# Altium PCB Core.PcbDoc (part 1 of 5)
Units mil, origin at the board's own origin, x right, y up, seen from the top; angles counter-clockwise.
Board outline 1181.1 x 1574.8 mil, 6 copper layers (Top Layer, GND2, SIG3, PWR4, GND5, Bottom Layer), stack 29.356 mil thick; 139 components, 179 nets, 1165 pads, 477 vias.
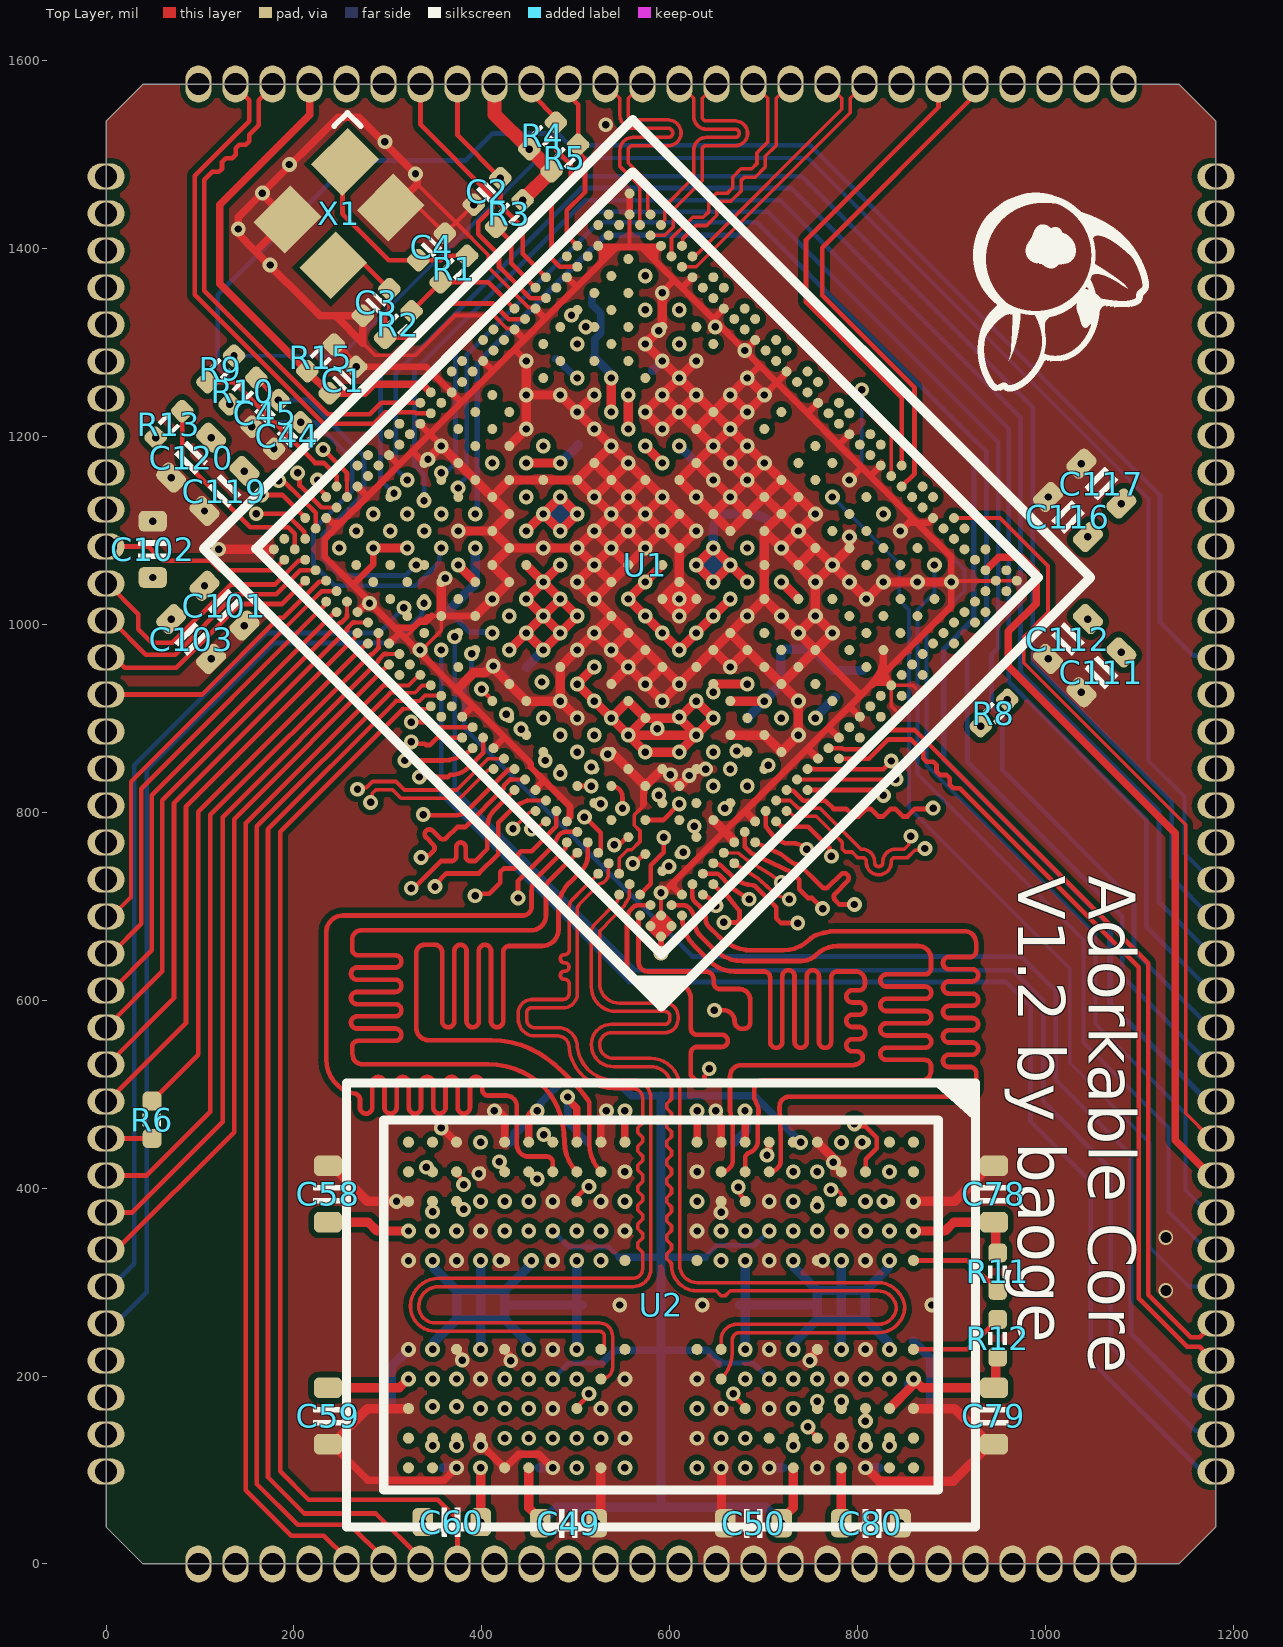
[diagram p0: Top Layer view]
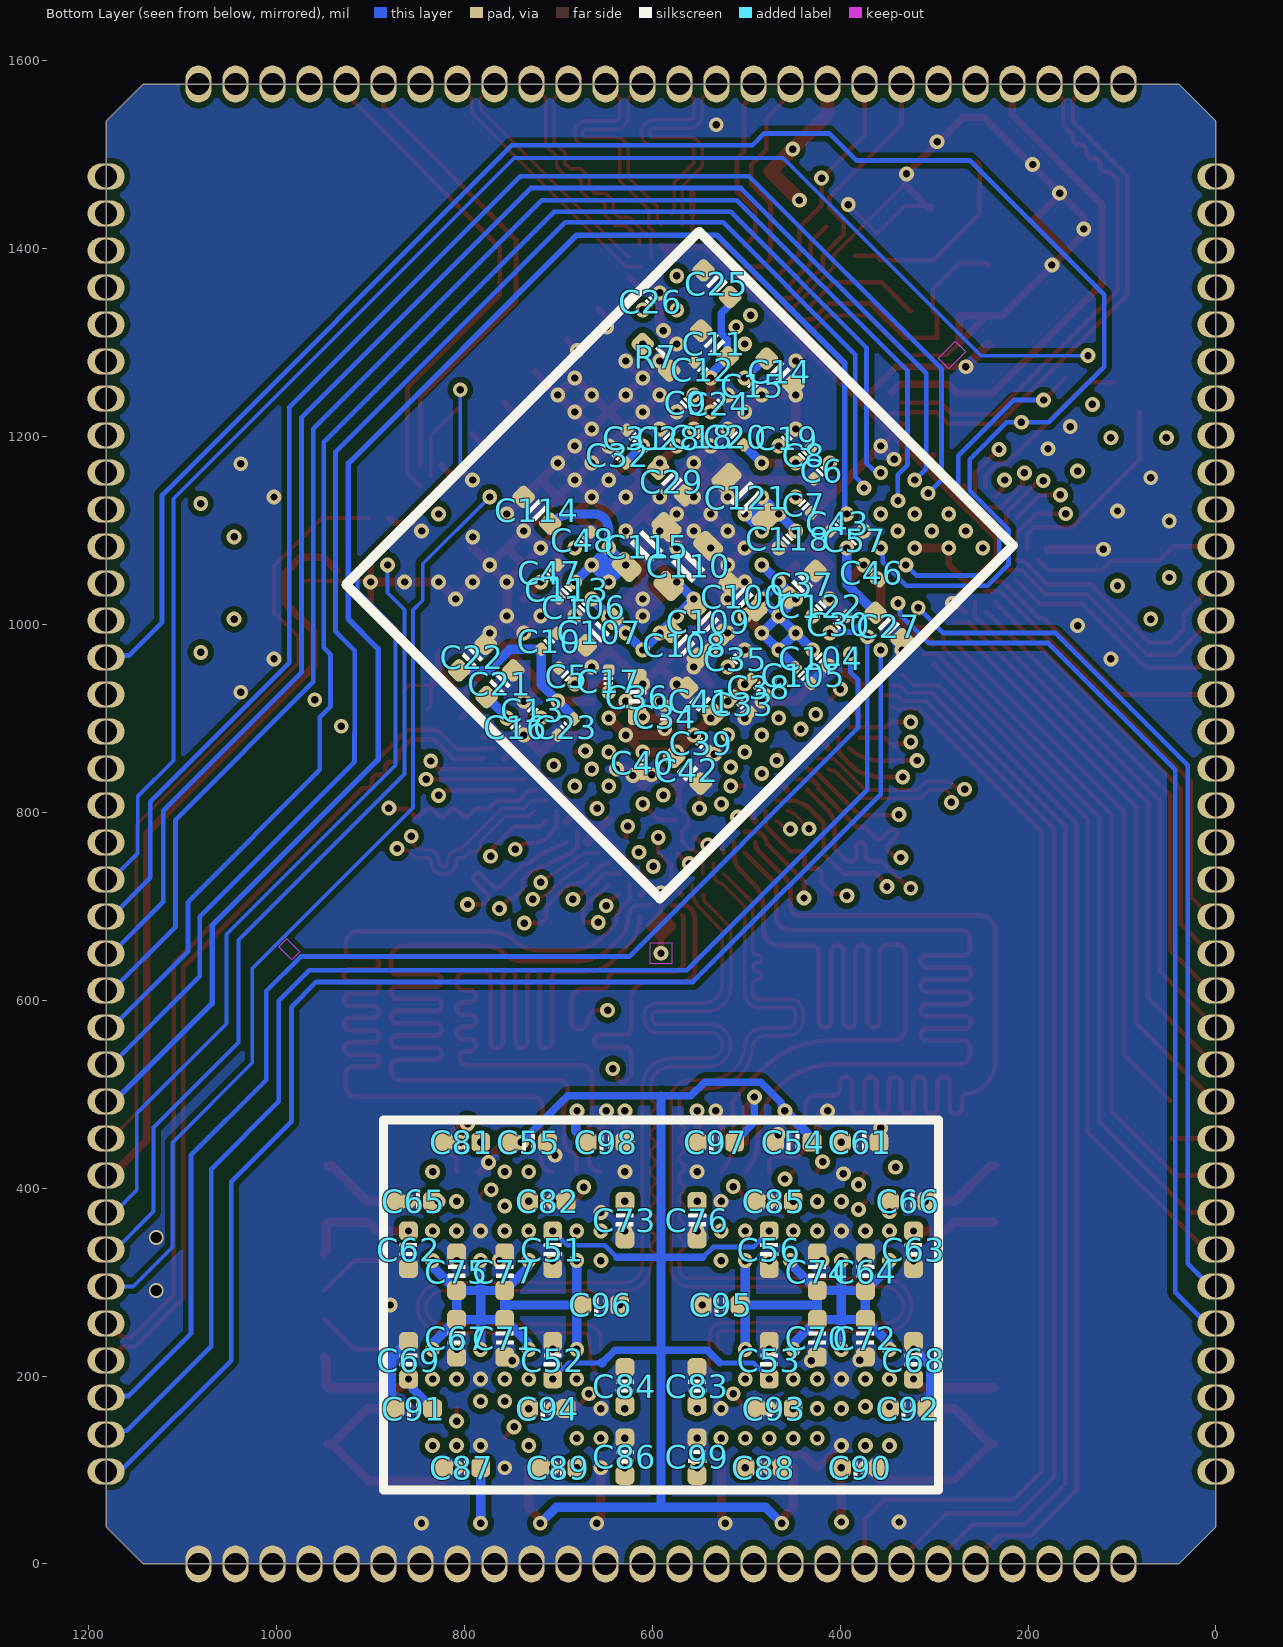
[diagram p1: Bottom Layer view, seen from below]
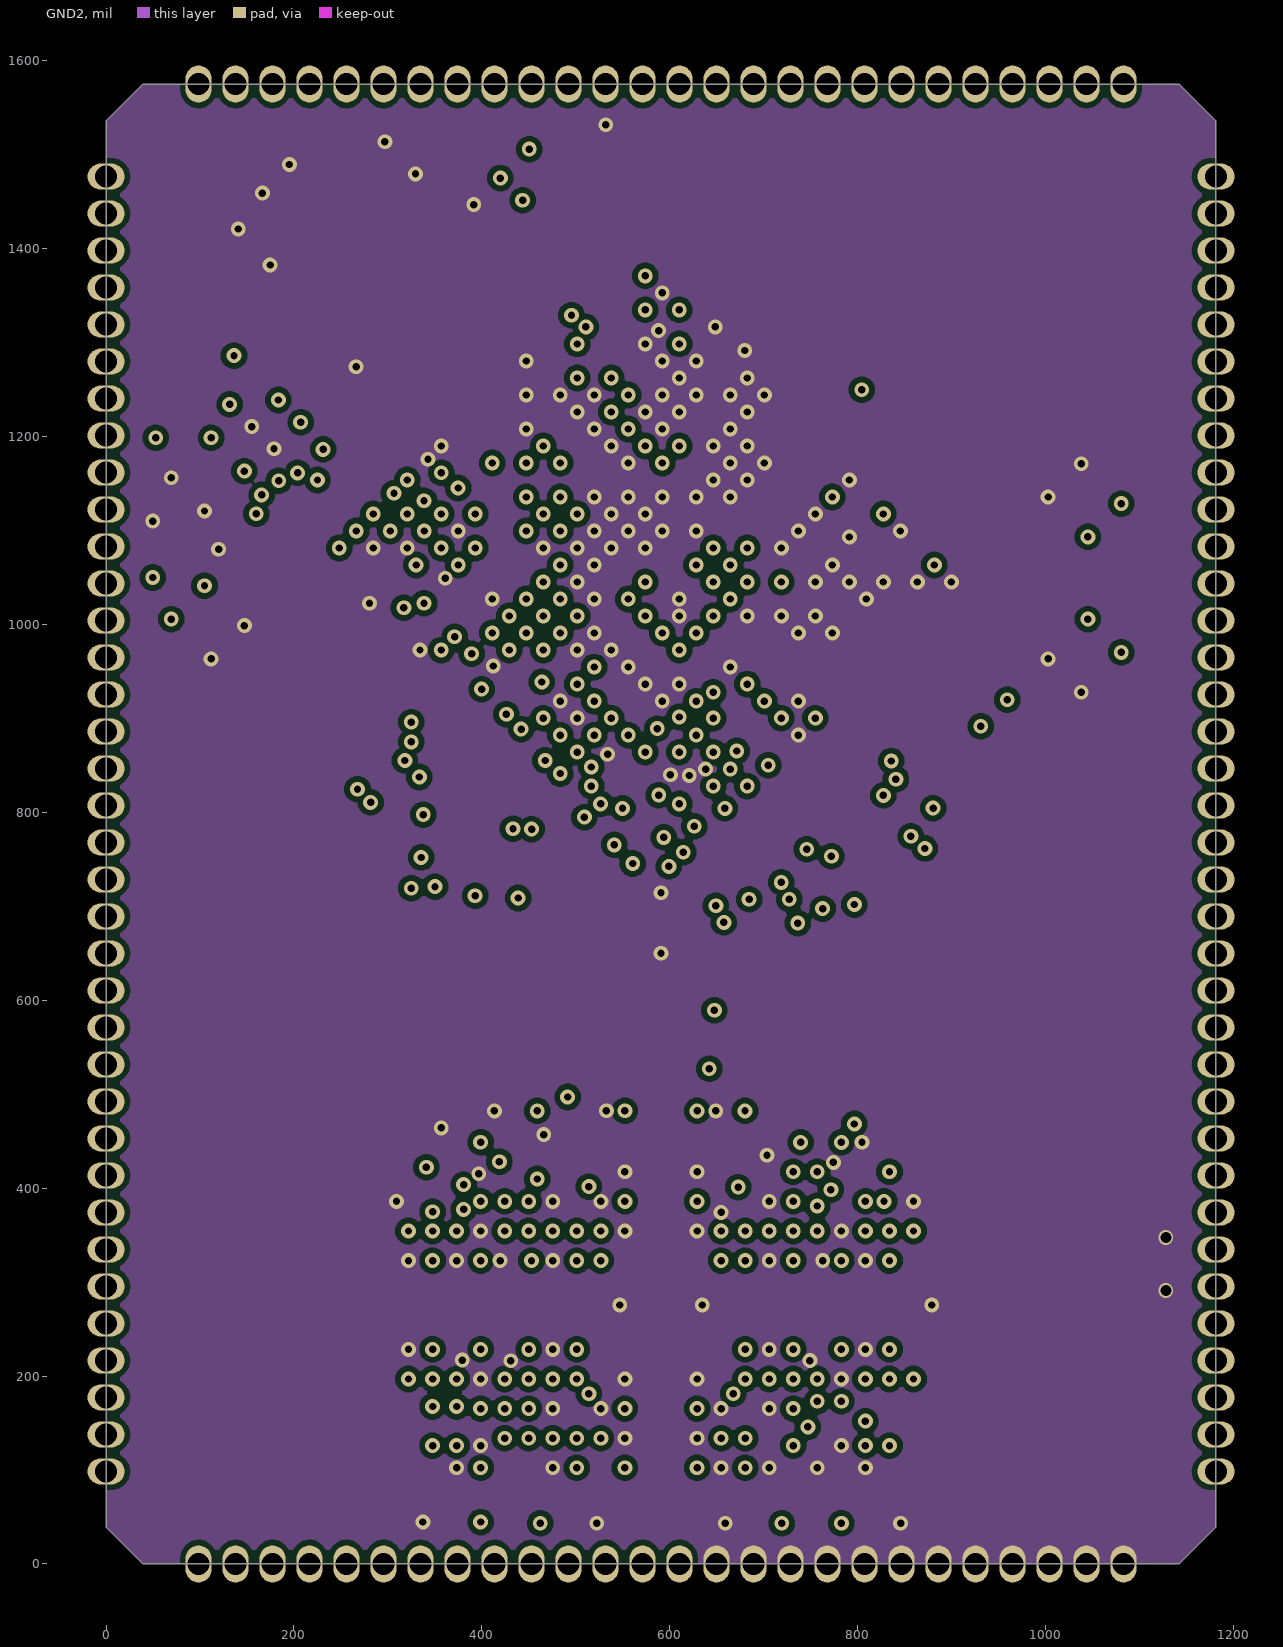
[diagram p2: GND2]
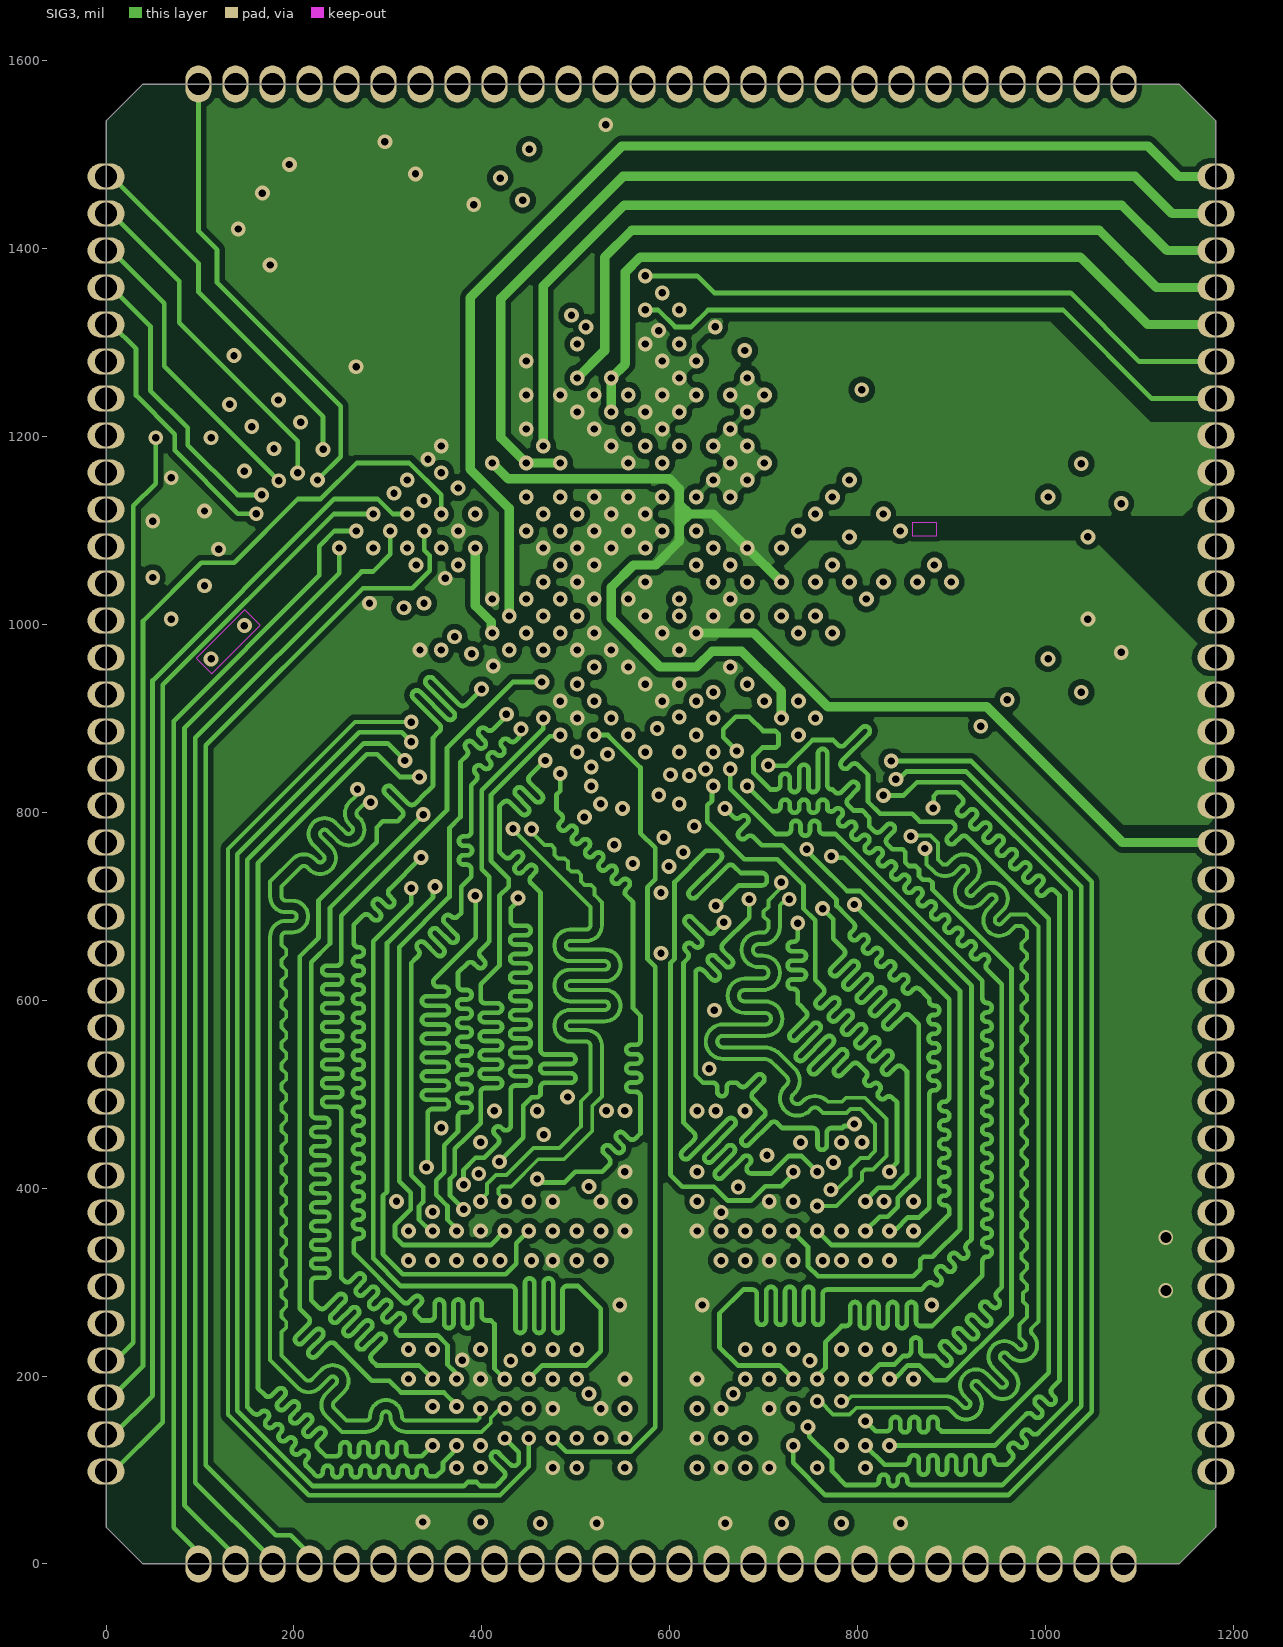
[diagram p3: SIG3]
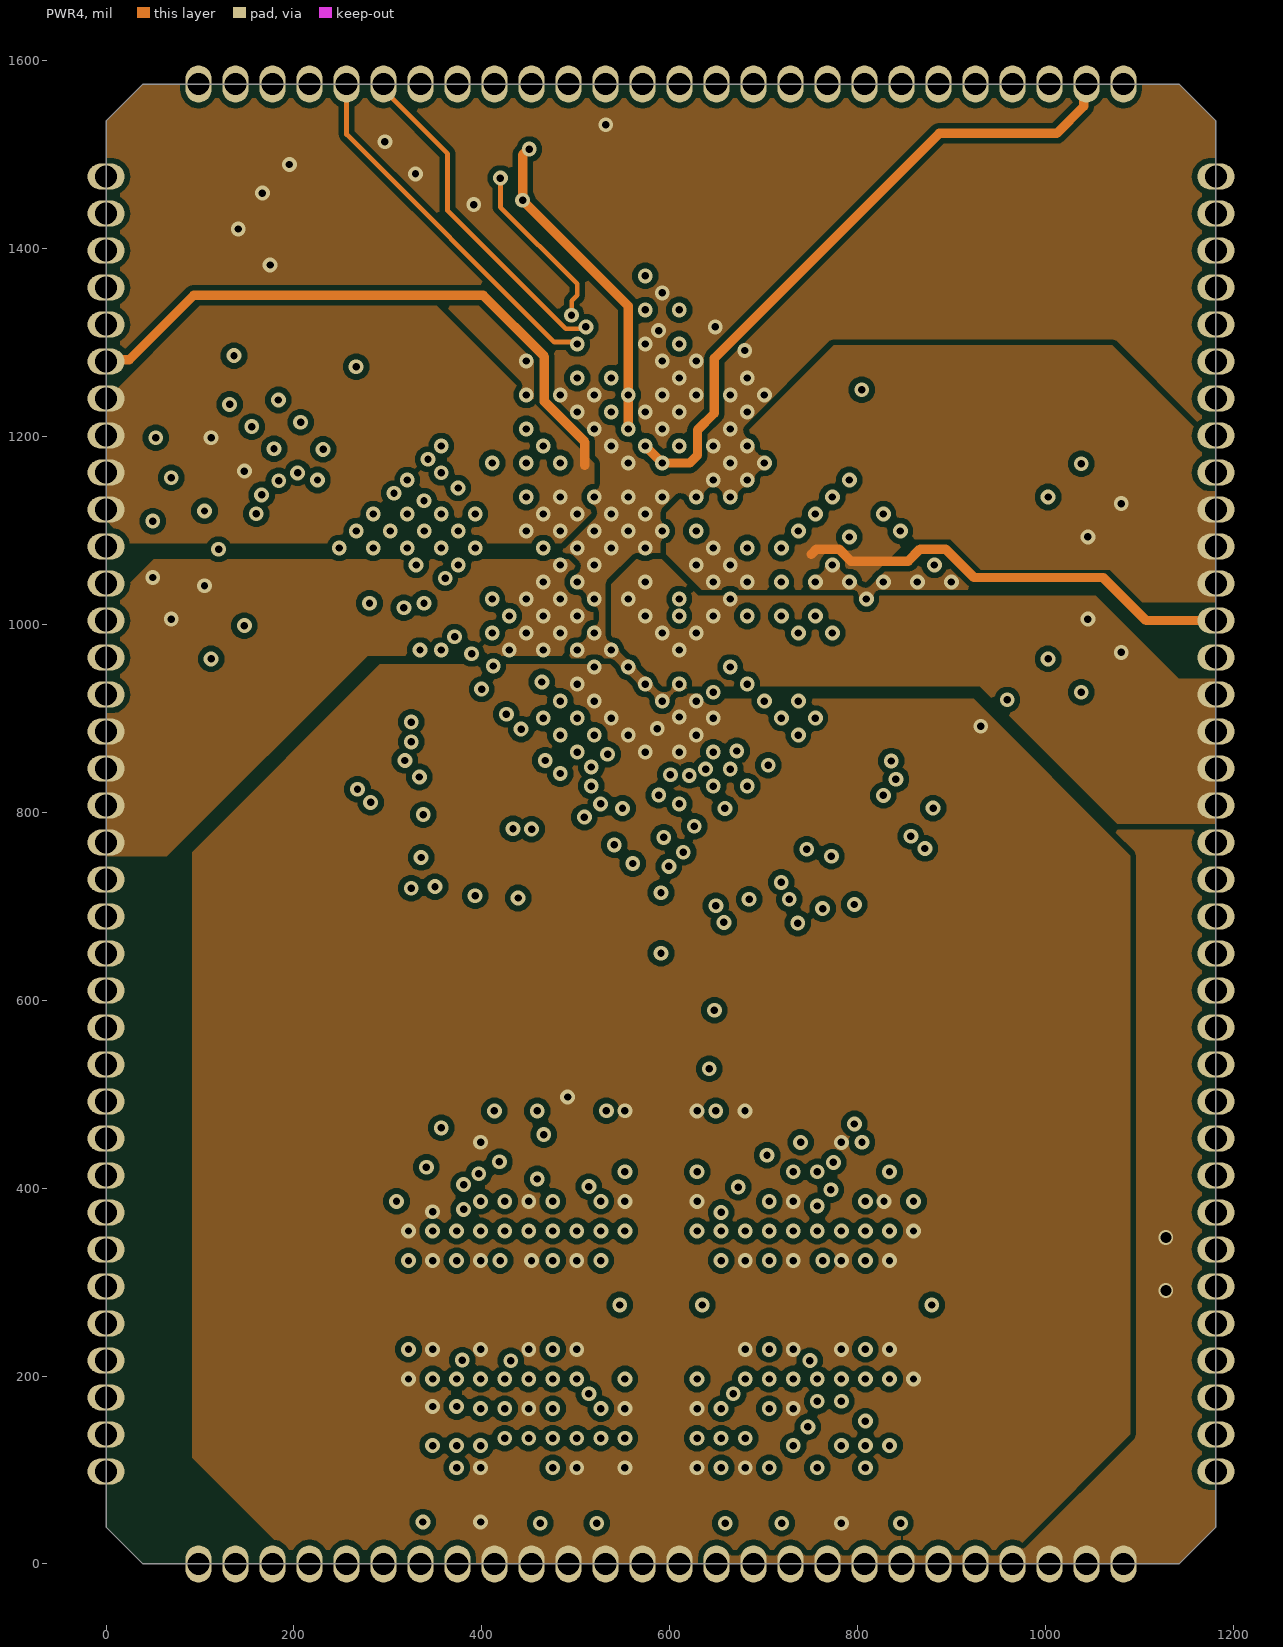
[diagram p4: PWR4]
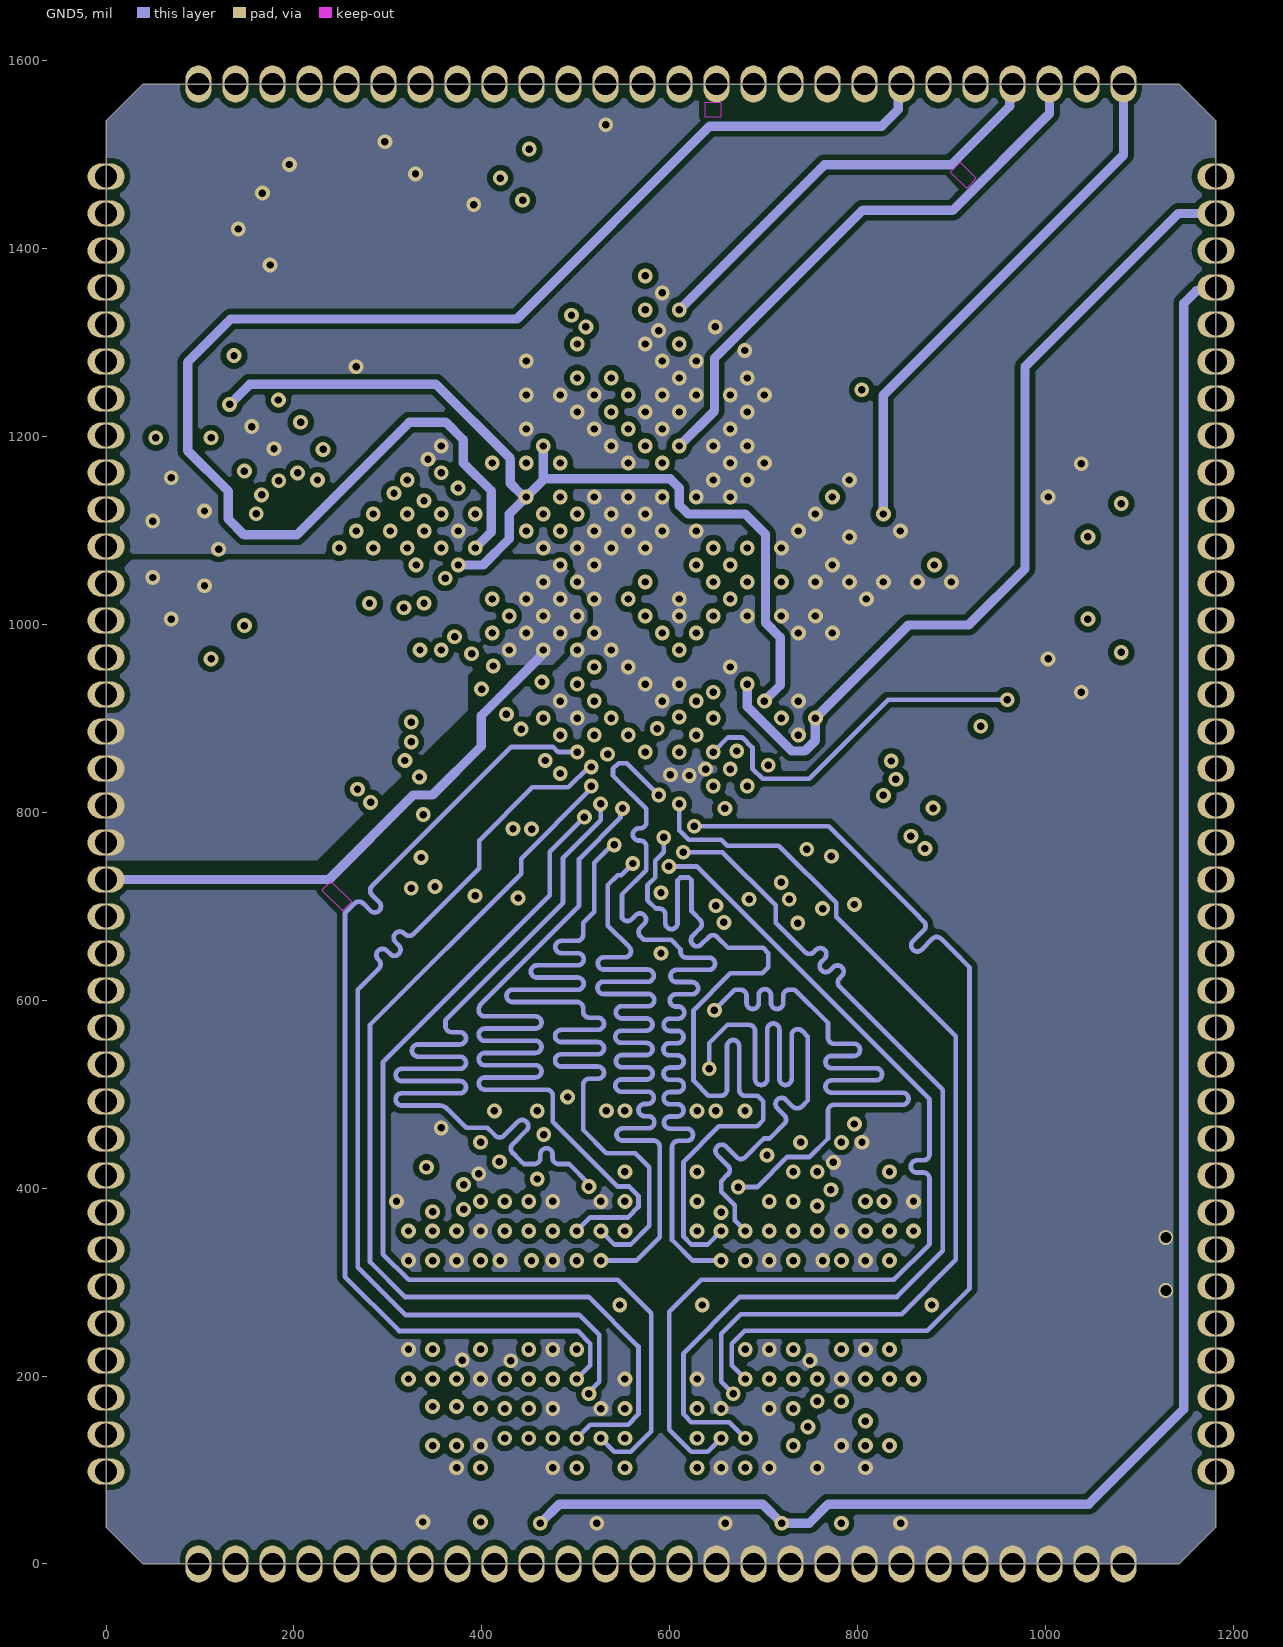
[diagram p5: GND5]
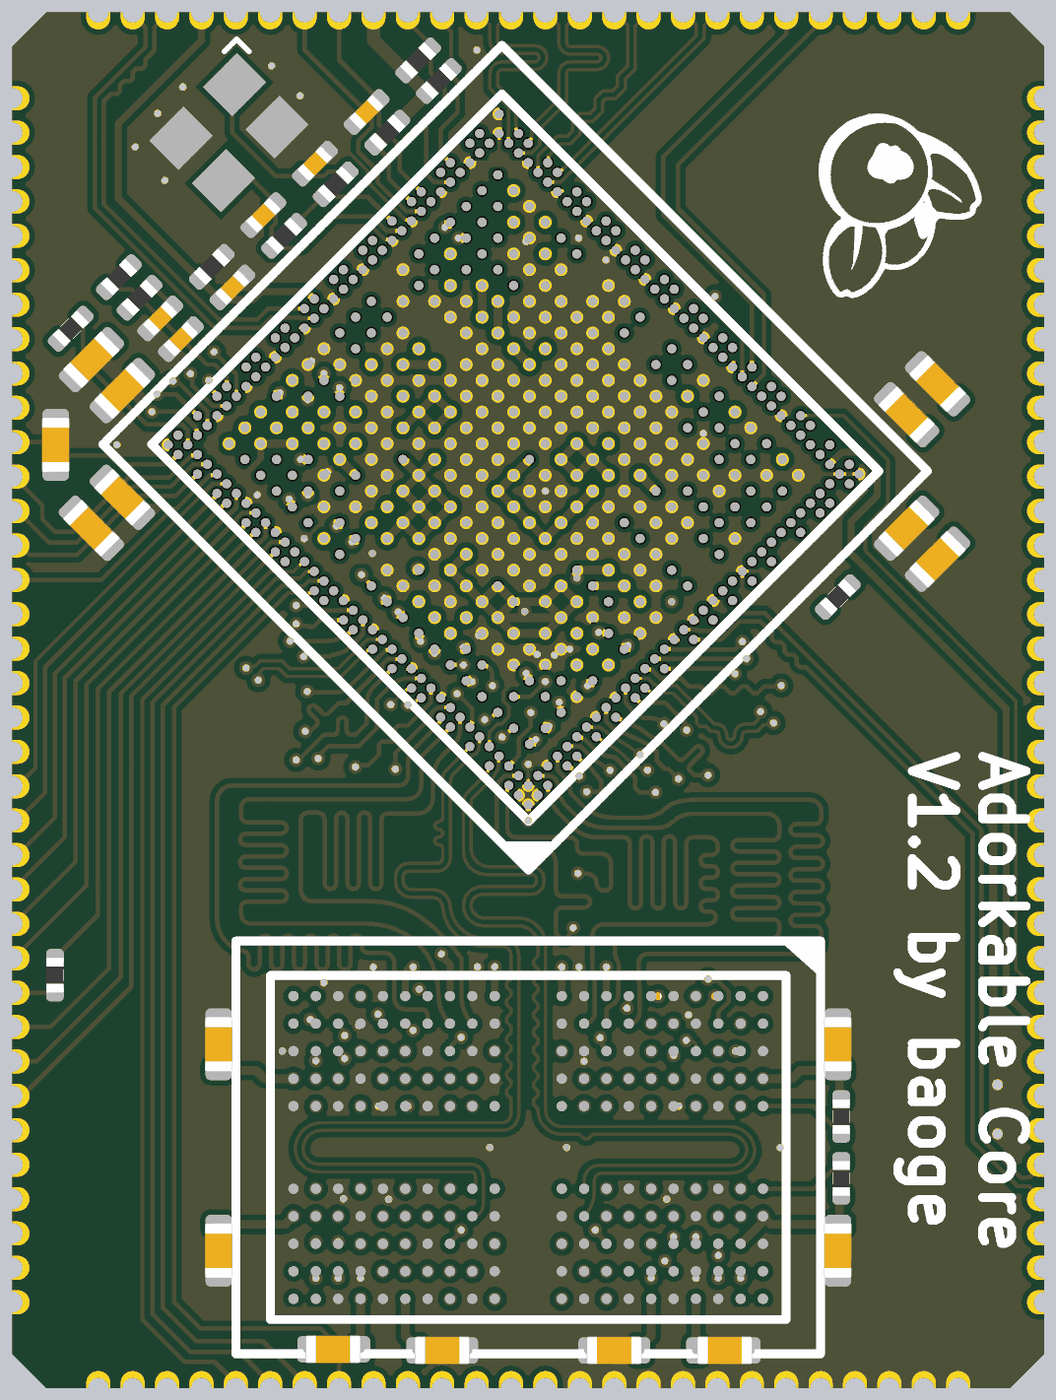
[diagram p10: 3D render of the assembled board from above, using the file's embedded part models]
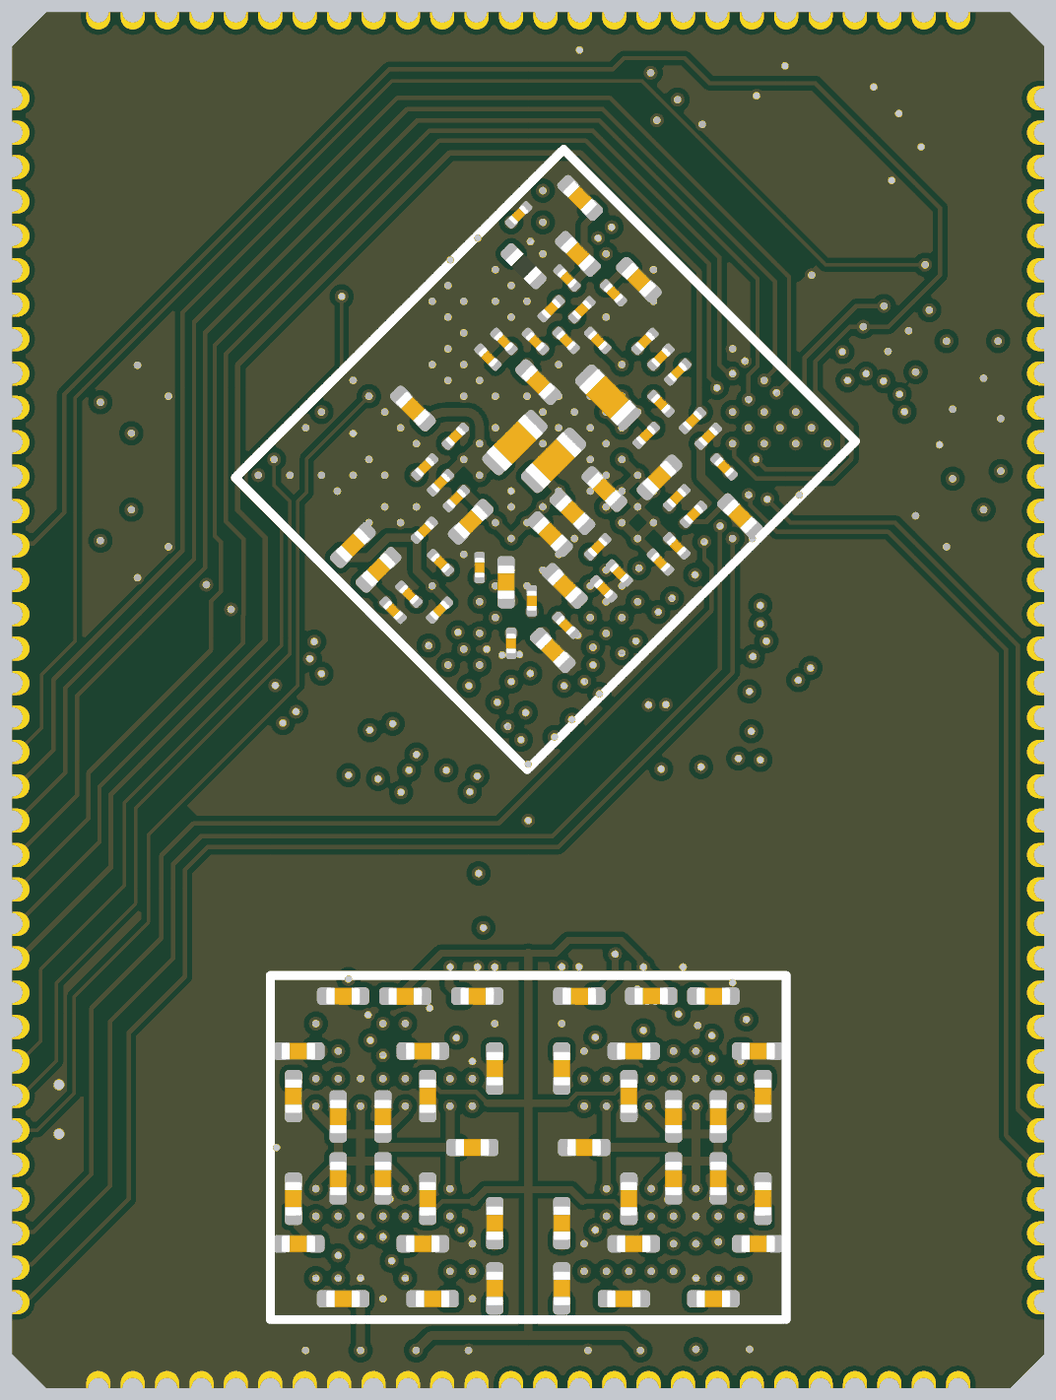
[diagram p11: 3D render of the assembled board from below, using the file's embedded part models]

## Layer stack, top to bottom
Top Solder: solder mask 0.4, Solder Resist, Dk 3.5
Top Layer: signal copper 1.4
Dielectric 1: prepreg 2.8, PP-006, Dk 4.1
GND2: signal copper 0.689
Dielectric 2: prepreg 2.8, PP-006, Dk 4.1
SIG3: signal copper 0.689
Dielectric 3: dielectric 12.6, FR-4, Dk 4.8
PWR4: signal copper 0.689
Dielectric 4: prepreg 2.8, PP-006, Dk 4.1
GND5: signal copper 0.689
Dielectric 5: prepreg 2.8, PP-006, Dk 4.1
Bottom Layer: signal copper 1.4
Bottom Solder: solder mask 0.4, Solder Resist, Dk 3.5

## Board outline
39.37,0 0,39.37 0,1535.43 39.37,1574.8 1141.73,1574.8 1181.1,1535.43 1181.1,39.37 1141.73,0
